# Altium PCB led-esp32.PcbDoc
Units mil, origin at the board's own origin, x right, y up, seen from the top; angles counter-clockwise.
Board outline 2874.02 x 1889.76 mil, 4 copper layers (Top Layer, Layer 1, Layer 2, Bottom Layer), stack 62.417 mil thick; 45 components, 45 nets, 209 pads, 116 vias.
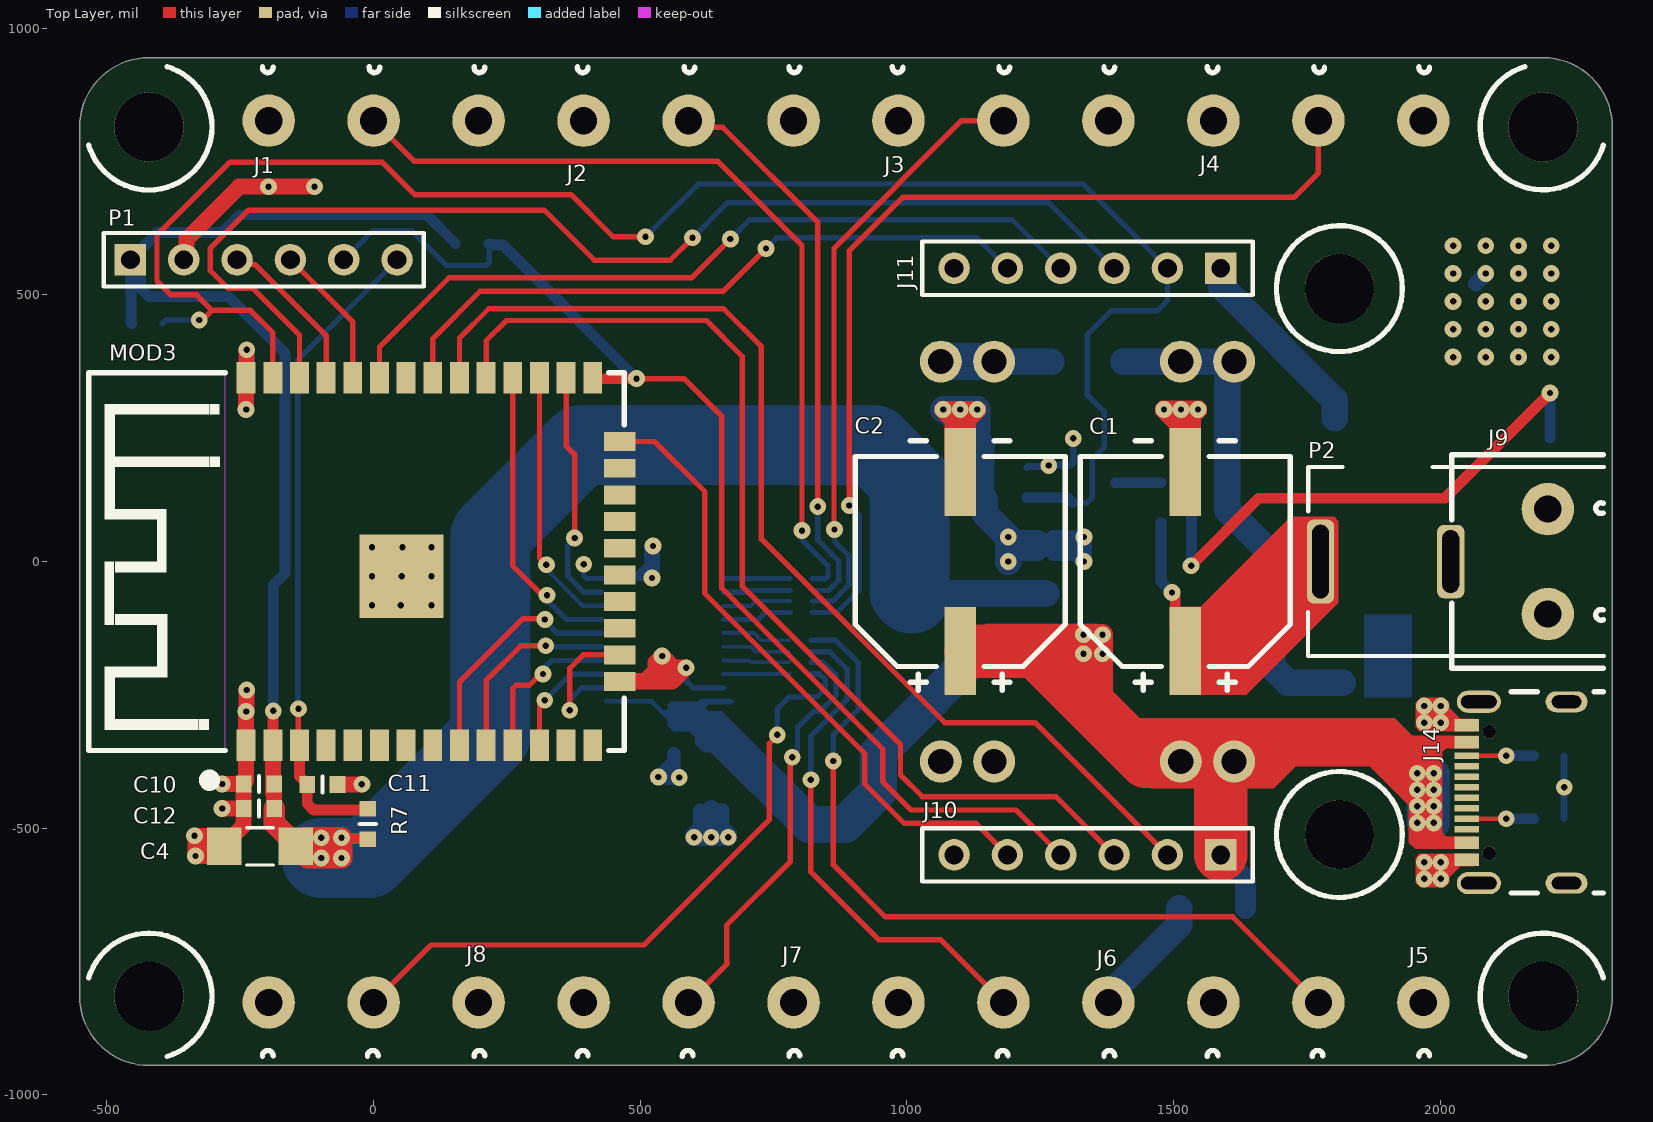
[diagram p0: Top Layer view]
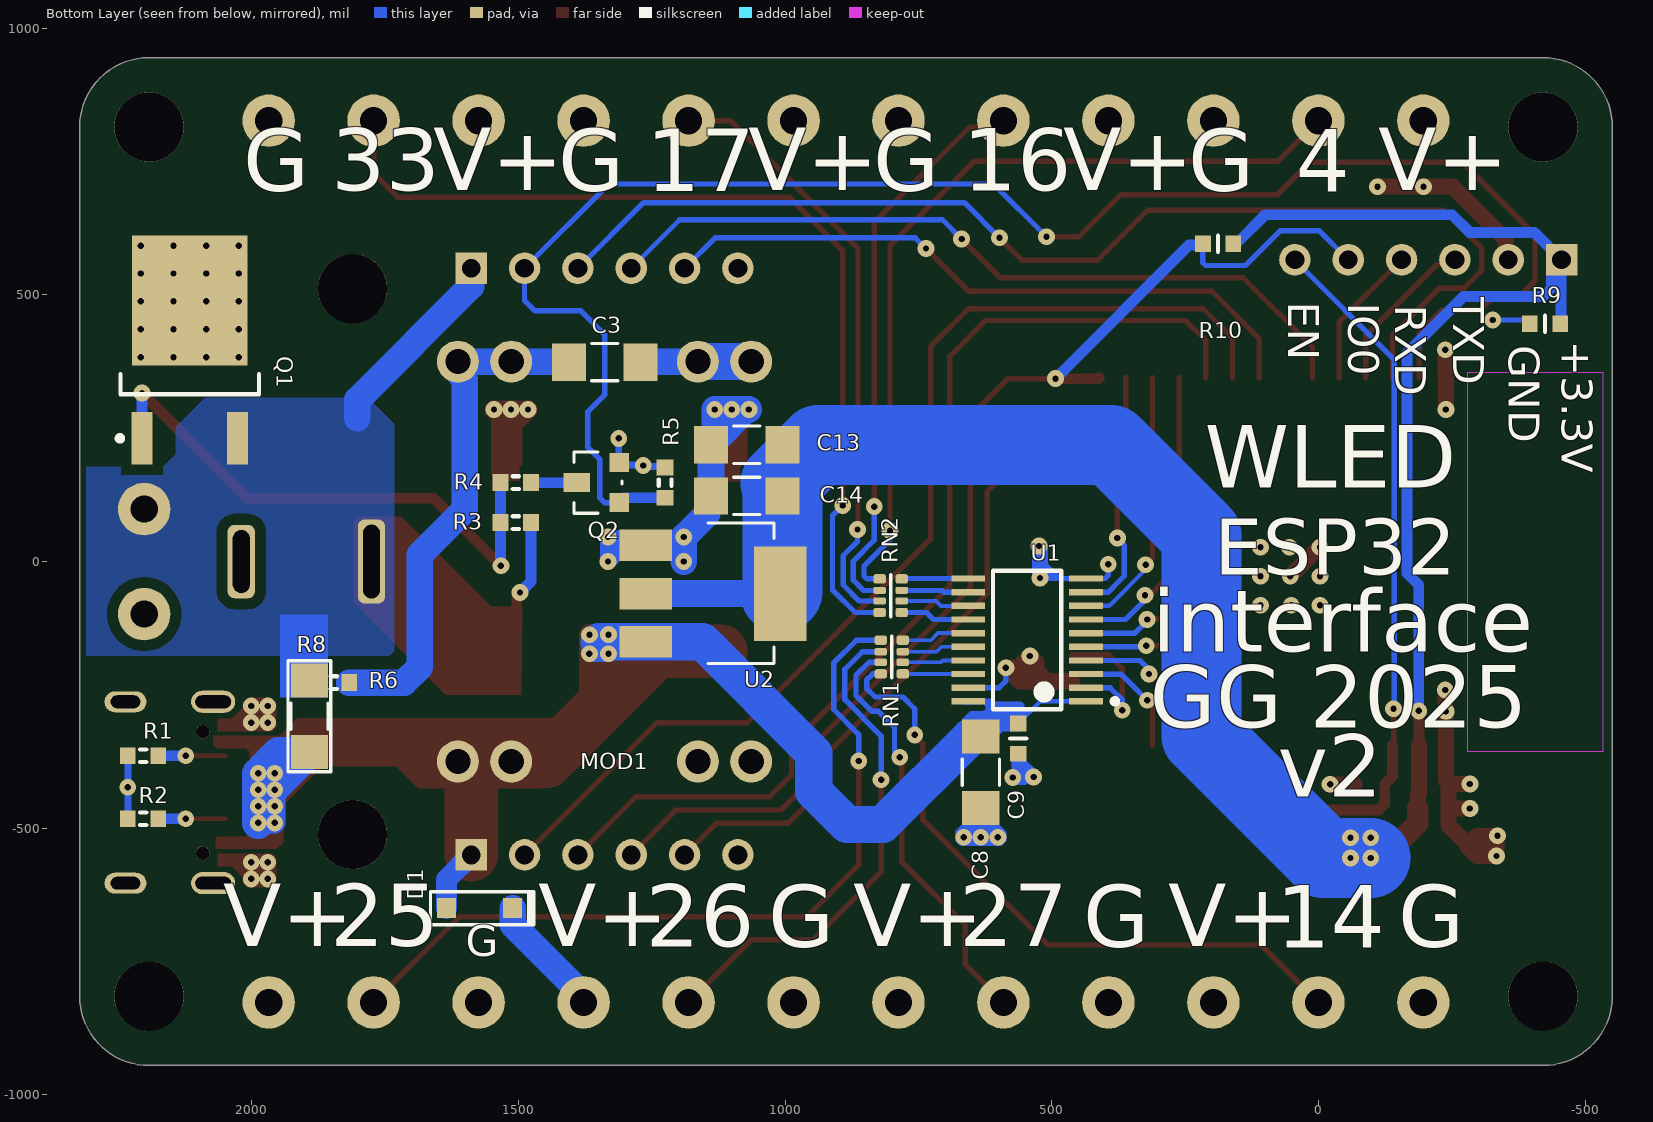
[diagram p1: Bottom Layer view, seen from below]
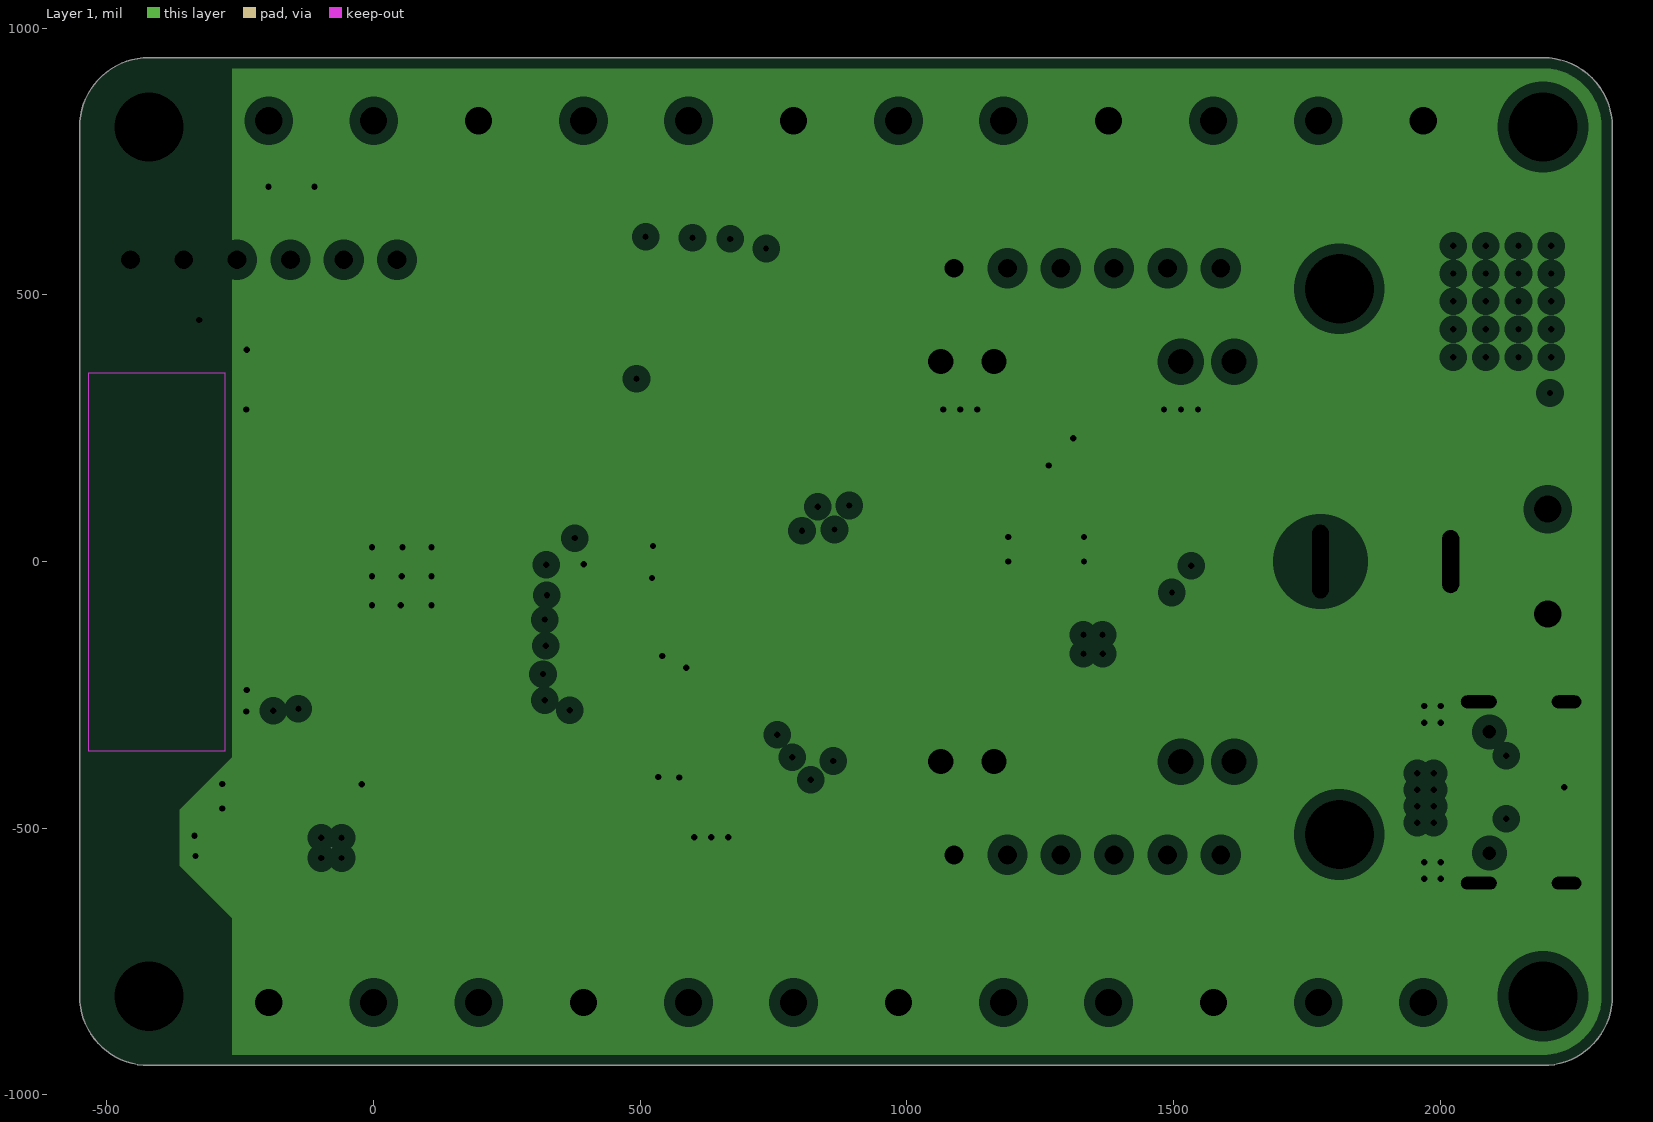
[diagram p2: Layer 1, clearances drawn from the general rule]
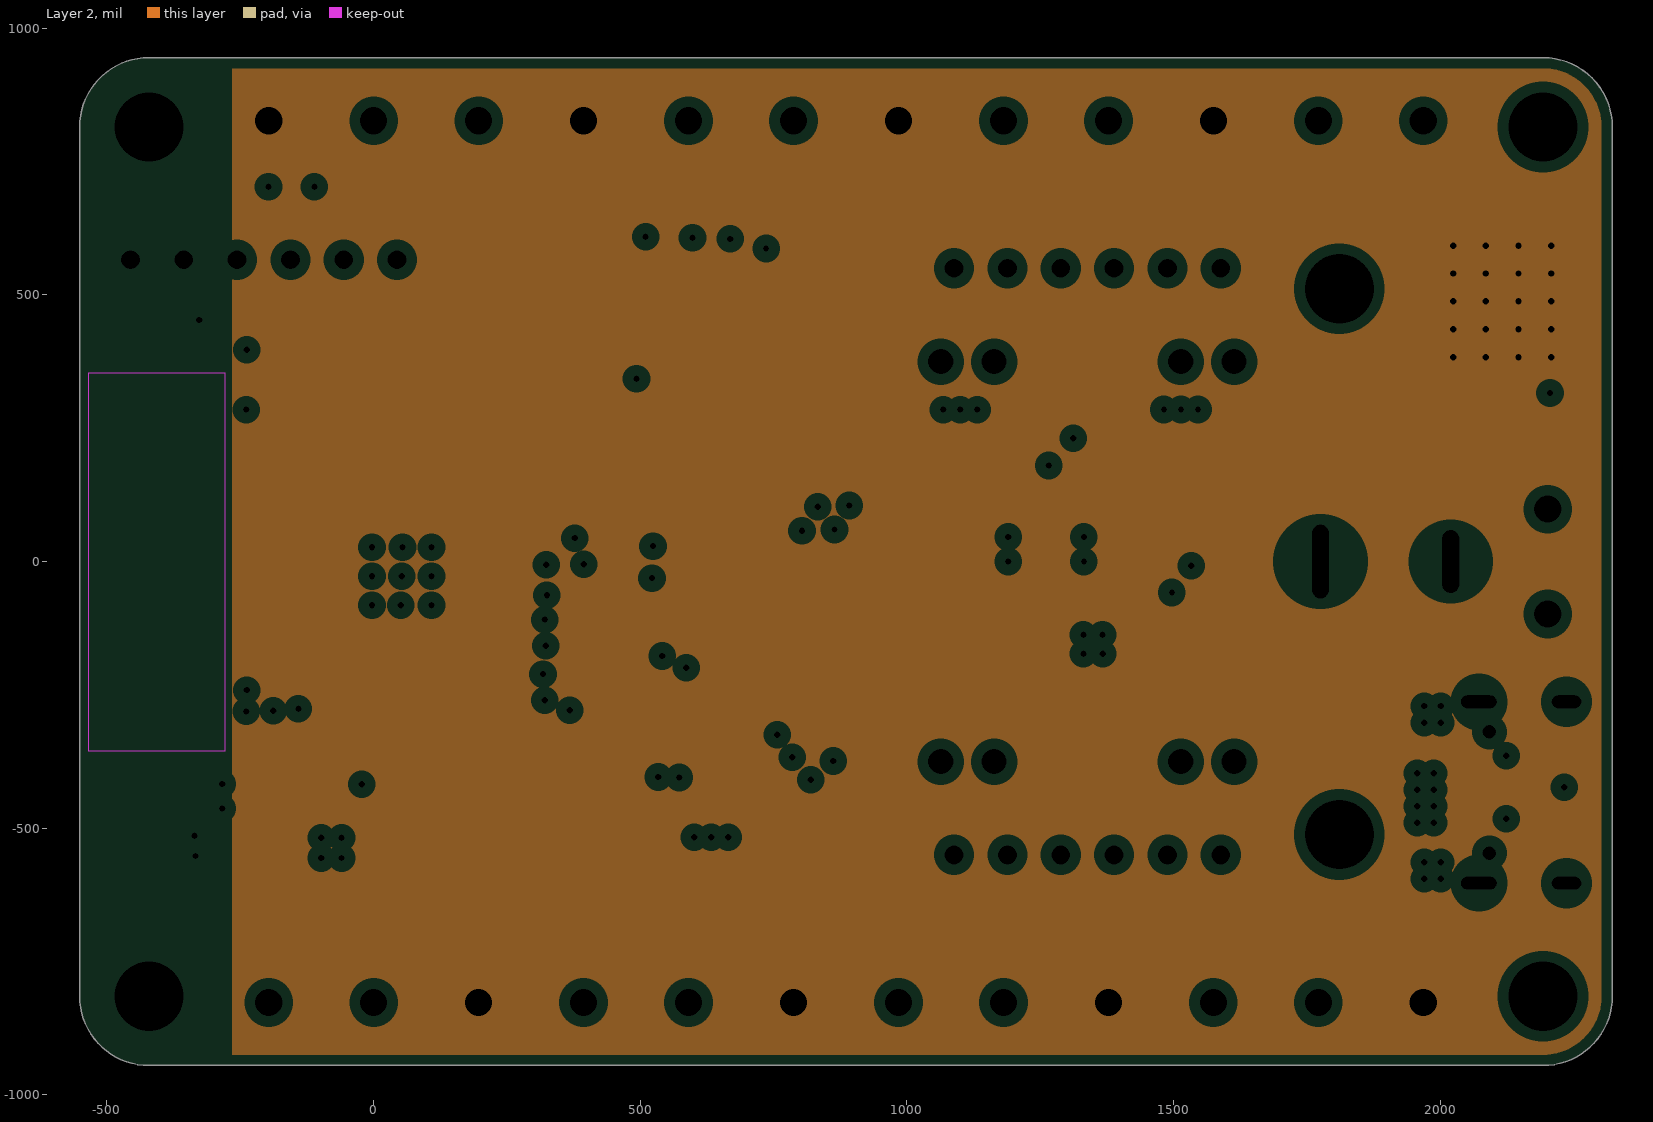
[diagram p3: Layer 2, clearances drawn from the general rule]
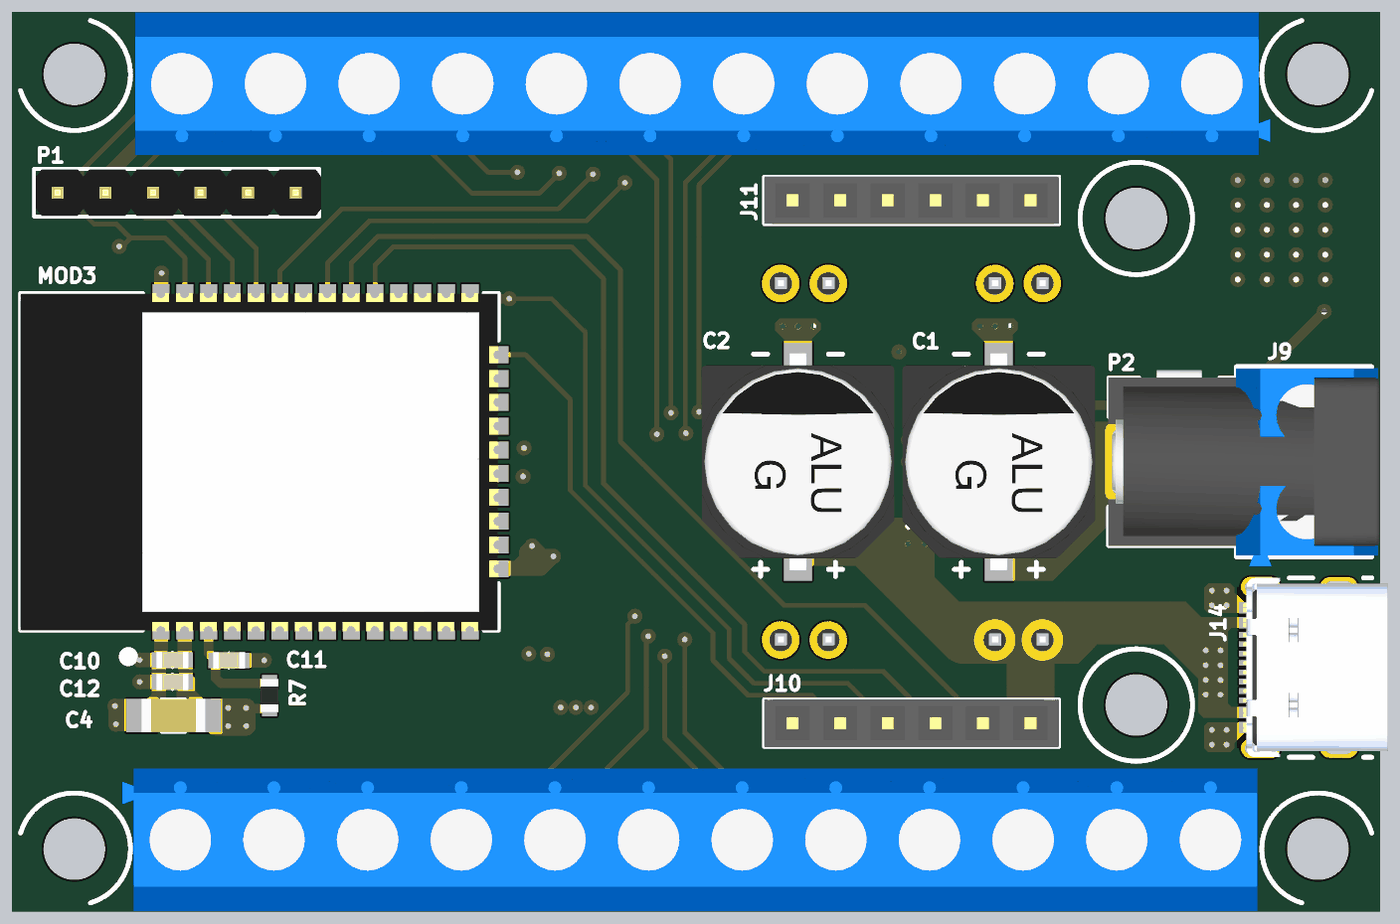
[diagram p4: 3D render of the assembled board from above, using the file's embedded part models]
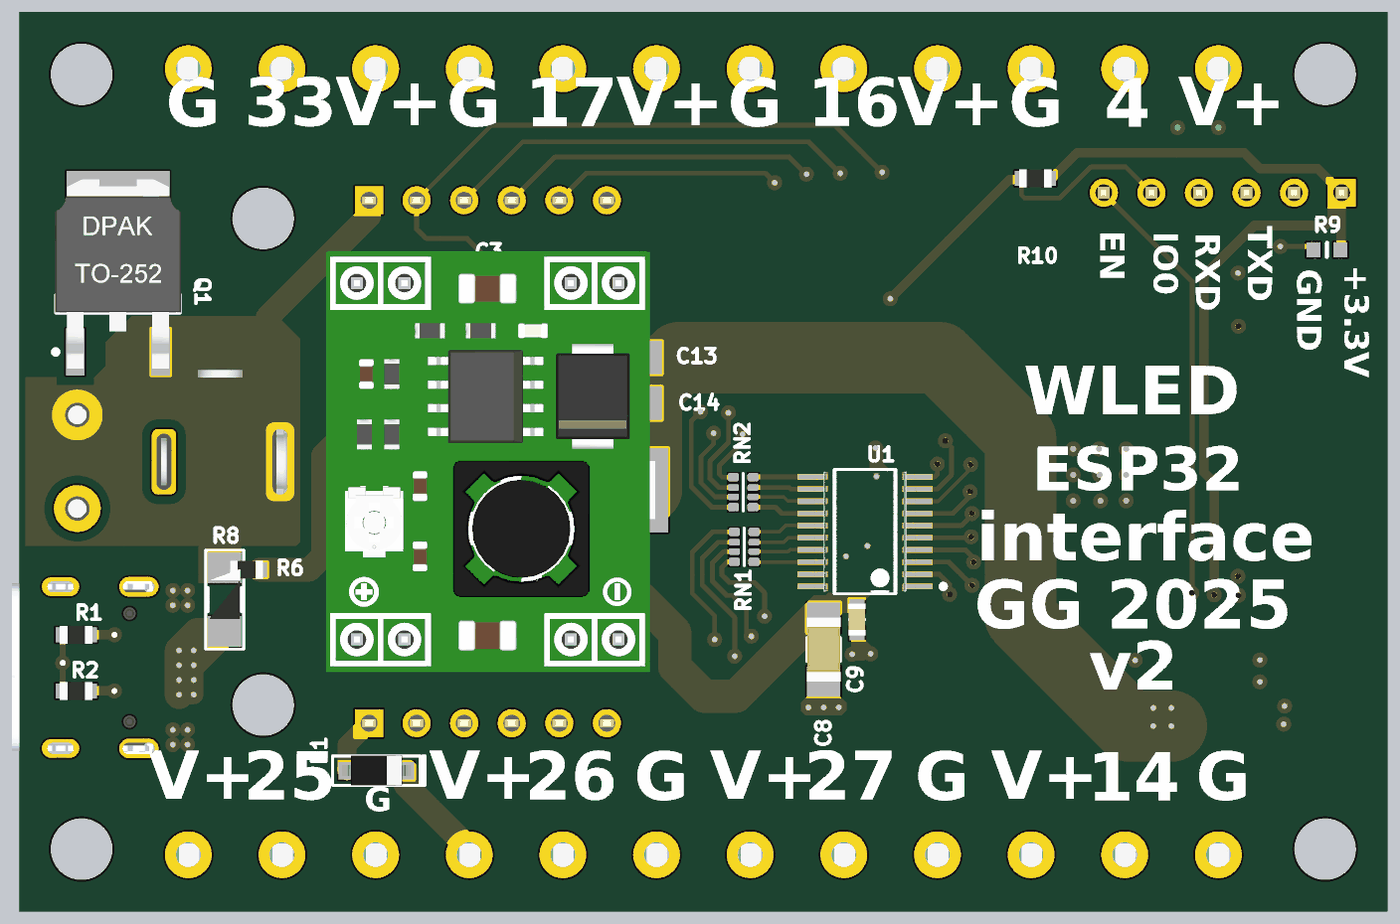
[diagram p5: 3D render of the assembled board from below, using the file's embedded part models]

## Layer stack, top to bottom
Top Solder: solder mask 0.4, Solder Resist, Dk 3.5
Top Layer: signal copper 1.378
Dielectric 2: prepreg 8.2677, PP-006, Dk 4.1
Layer 1: plane copper 0.5984, net GND
Dielectric 1: dielectric 41.9291, FR-4, Dk 4.8
Layer 2: plane copper 0.5984, net VLED
Dielectric 3: prepreg 8.2677, PP-006, Dk 4.1
Bottom Layer: signal copper 1.378
Bottom Solder: solder mask 0.4, Solder Resist, Dk 3.5

## Board outline
-421.26,-944.88 cw(c-421.26,-814.96) -551.18,-814.96 -551.18,814.96 cw(c-421.26,814.96) -421.26,944.88 2192.91,944.88 cw(c2192.91,814.96) 2322.83,814.96 2322.83,-814.96 cw(c2192.91,-814.96) 2192.91,-944.88

## Design rules (kind name [scope] priority, off if disabled: settings)
BoardOutlineClearance [All] p1: gap=11.81 ignorepadtopadclearanceinfootprint=FALSE
Clearance Clearance_polygon [InPolygon] p1: gap=20 ignorepadtopadclearanceinfootprint=FALSE
Clearance [All] p2: gap=8 ignorepadtopadclearanceinfootprint=TRUE
ComponentClearance ComponentClearance_1 [InComponent('R6') vs InComponent('R8')] p1: gap=-39.37 collisioncheckmode=3 verticalgap=-39.37 showdistances=FALSE
ComponentClearance ComponentClearance_3 [HasFootprint('J_ARK3') vs HasFootprint('J_ARK3')] p2: gap=-39.37 collisioncheckmode=3 verticalgap=-39.37 showdistances=FALSE
ComponentClearance ComponentClearance_2 [HasFootprint('J_ARK2') vs HasFootprint('P_KLDX-0202-A')] p3: gap=-39.37 collisioncheckmode=3 verticalgap=-39.37 showdistances=FALSE
ComponentClearance [All] p4: gap=10 collisioncheckmode=3 verticalgap=10 showdistances=FALSE
HoleSize [All] p1: absolutevalues=TRUE maxlimit=157.48 minlimit=11.81 maxpercent=80.000 minpercent=20.000
MinimumAnnularRing [All] p1: minimumring=7
MinimumSolderMaskSliver [All] p1: minsoldermaskwidth=5
PlaneClearance [All] p1: clearance=20
PlaneConnect [All] p1: planeconnectstyle=Direct reliefexpansion=20 reliefentries=4 reliefconductorwidth=10 reliefairgap=10
PolygonConnect VIA [IsVia] p1: connectstyle=Direct reliefconductorwidth=10 reliefentries=4 polygonreliefangle="90 Angle" airgapwidth=10
PolygonConnect [All] p2: connectstyle=Direct reliefconductorwidth=30 reliefentries=4 polygonreliefangle="90 Angle" airgapwidth=15
RoutingVias [All] p1: holewidth=11.81 width=31.5 viastyle="Through Hole" minholewidth=11.81 minwidth=31.5 maxholewidth=11.81 maxwidth=31.5
SilkToSilkClearance [All] p1: silktosilkclearance=1
SilkToSolderMaskClearance [IsPad] p1: minsilkscreentomaskgap=1 clearancetoexposedcopper=TRUE
SolderMaskExpansion [All] p1: expansion=4 istentingtop=FALSE
SupplyNets "Schematic Supply Nets_1" [InNet('VLED')] p1: voltage=0.000
SupplyNets "Schematic Supply Nets_5" [InNet('VIN')] p2: voltage=0.000
SupplyNets "Schematic Supply Nets_4" [InNet('+3.3V')] p3: voltage=0.000
SupplyNets "Schematic Supply Nets_2" [InNet('GND')] p4: voltage=0.000
SupplyNets "Schematic Supply Nets" [InNet('+5V')] p5: voltage=0.000
Width [All] p1: maxlimit=150 minlimit=7 preferedwidth=10 minimp=50.000000 maximp=50.000000 favimp=50.000000
23 further rules are at their usual default settings.

## Components (designator, comment, footprint, x,y, rotation, side; value= is the part's Value field where it differs from the comment)
C1 "Electrolytic Capacitor" CE_D_10x10_SMD 1522,0 r90 top locked value=100uF
C2 "Electrolytic Capacitor" CE_D_10x10_SMD 1100,0 r90 top locked value=100uF
C3 "Ceramic X7R" C_1206_3216 1338.17,374 r180 bottom value=10uF
C4 "Ceramic X7R" C_1206_3216 -213,-534 r180 top value=10uF
C8 "Ceramic X7R" C_1206_3216 633,-395 r270 bottom value=10uF
C9 "Ceramic X7R" C_0603_1608 563,-332 r270 bottom value=100nF
C10 "Ceramic X7R" C_0603_1608 -215,-417 r180 top value=100nF
C11 "Ceramic X7R" C_0603_1608 -96,-418 r0 top value=100nF
C12 "Ceramic X7R" C_0603_1608 -215,-463 r180 top value=100nF
C13 "Ceramic X7R" C_1206_3216 1072,219 r0 bottom value=10uF
C14 "Ceramic X7R" C_1206_3216 1072,123 r0 bottom value=10uF
D1 "1N4148W" SOD123 1573,-650 r0 bottom value=1N4148W-E3-08
J1 "ARK3" J_ARK3 0,826.77 r0 top locked value=DG301-5.0-03P-12-18A(H)
J2 "ARK3" J_ARK3 590.55,826.77 r0 top locked value=DG301-5.0-03P-12-18A(H)
J3 "ARK3" J_ARK3 1181.1,826.77 r0 top locked value=DG301-5.0-03P-12-18A(H)
J4 "ARK3" J_ARK3 1771.65,826.77 r0 top locked value=DG301-5.0-03P-12-18A(H)
J5 "ARK3" J_ARK3 1771.65,-826.77 r180 top locked value=DG301-5.0-03P-12-18A(H)
J6 "ARK3" J_ARK3 1181.1,-826.77 r180 top locked value=DG301-5.0-03P-12-18A(H)
J7 "ARK3" J_ARK3 590.55,-826.77 r180 top locked value=DG301-5.0-03P-12-18A(H)
J8 "ARK3" J_ARK3 0,-826.77 r180 top locked value=DG301-5.0-03P-12-18A(H)
J9 "ARK2" J_ARK2 2201.78,0 r270 top locked value=DG301-5.0-02P-12-18A(H)
J10 "Goldpin female straight" J_HEADER_1x6_2.54_VERTICAL 1338.58,-550 r180 top locked value=DS1023-1*6S21
J11 "Goldpin female straight" J_HEADER_1x6_2.54_VERTICAL 1338.58,550 r180 top locked value=DS1023-1*6S21
J14 "USB C Connector" J_USB_C_USB4105 2237,-433 r90 top value=USB4105-GF-A
MOD1 "Low cost, Aliexpress-ready DC-DC buck converter using MP1584" MOD_BUCK_MP1584 1338.58,0 r270 bottom locked value=-
MOD3 "2.4 GHz Wi-Fi-and-Bluetooth combo chip" MOD_ESP_WROOM_32 86,0 r90 top locked value=ESP32-WROOM-32
P1 "Goldpin" P_HEADER_1x6_2.54 -206,566 r0 top value=DS1021-1*6SF1-1
P2 "DC JACK" P_KLDX-0202-A 2019.68,0 r0 top value=KLDX-0202-A
Q1 "AOD423" DPAK_TO252-3_SC63_M 2116.24,396.35 r90 bottom
Q2 "2N7002K-7" SOT23_TO236_SC59 1351,148 r90 bottom
R1 "Resistor" R_0603_1608 2204,-364.1 r0 bottom value=5.1k
R2 "Resistor" R_0603_1608 2204,-482.21 r0 bottom value=5.1k
R3 "Resistor" R_0603_1608 1505,73 r180 bottom value=10k
R4 "Resistor" R_0603_1608 1505,148 r180 bottom value=10k
R5 "Resistor" R_0603_1608 1225,148 r90 bottom value=10k
R6 "Resistor" R_0603_1608 1846,-227 r180 bottom value=0R
R7 "Resistor" R_0603_1608 -11,-492 r90 top value=10k
R8 "Resistor" R_1206_3216 1892,-290 r270 bottom
R8 "Resistor" R_NC_1206_3216 1892,-290 r270 bottom value=NC
R9 "Resistor" R_NC_0603_1608 -425,446 r0 bottom value=NC
R10 "Resistor" R_0603_1608 188,596 r0 bottom value=10k
RN1 "Resistors Network" RN4_0804_2010 800,-179 r0 bottom value=120R
RN2 "Resistors Network" RN4_0804_2010 802,-64 r0 bottom value=120R
U1 "SN74HCT245PWR" FP-PW0020A-MFG 546,-147 r0 bottom locked
U2 "LD1117AS33TR" SOT223_SC73 1135,-60 r270 bottom
